# Altium PCB Zeropilot 2.0.PcbDoc (part 1 of 2) (continued)
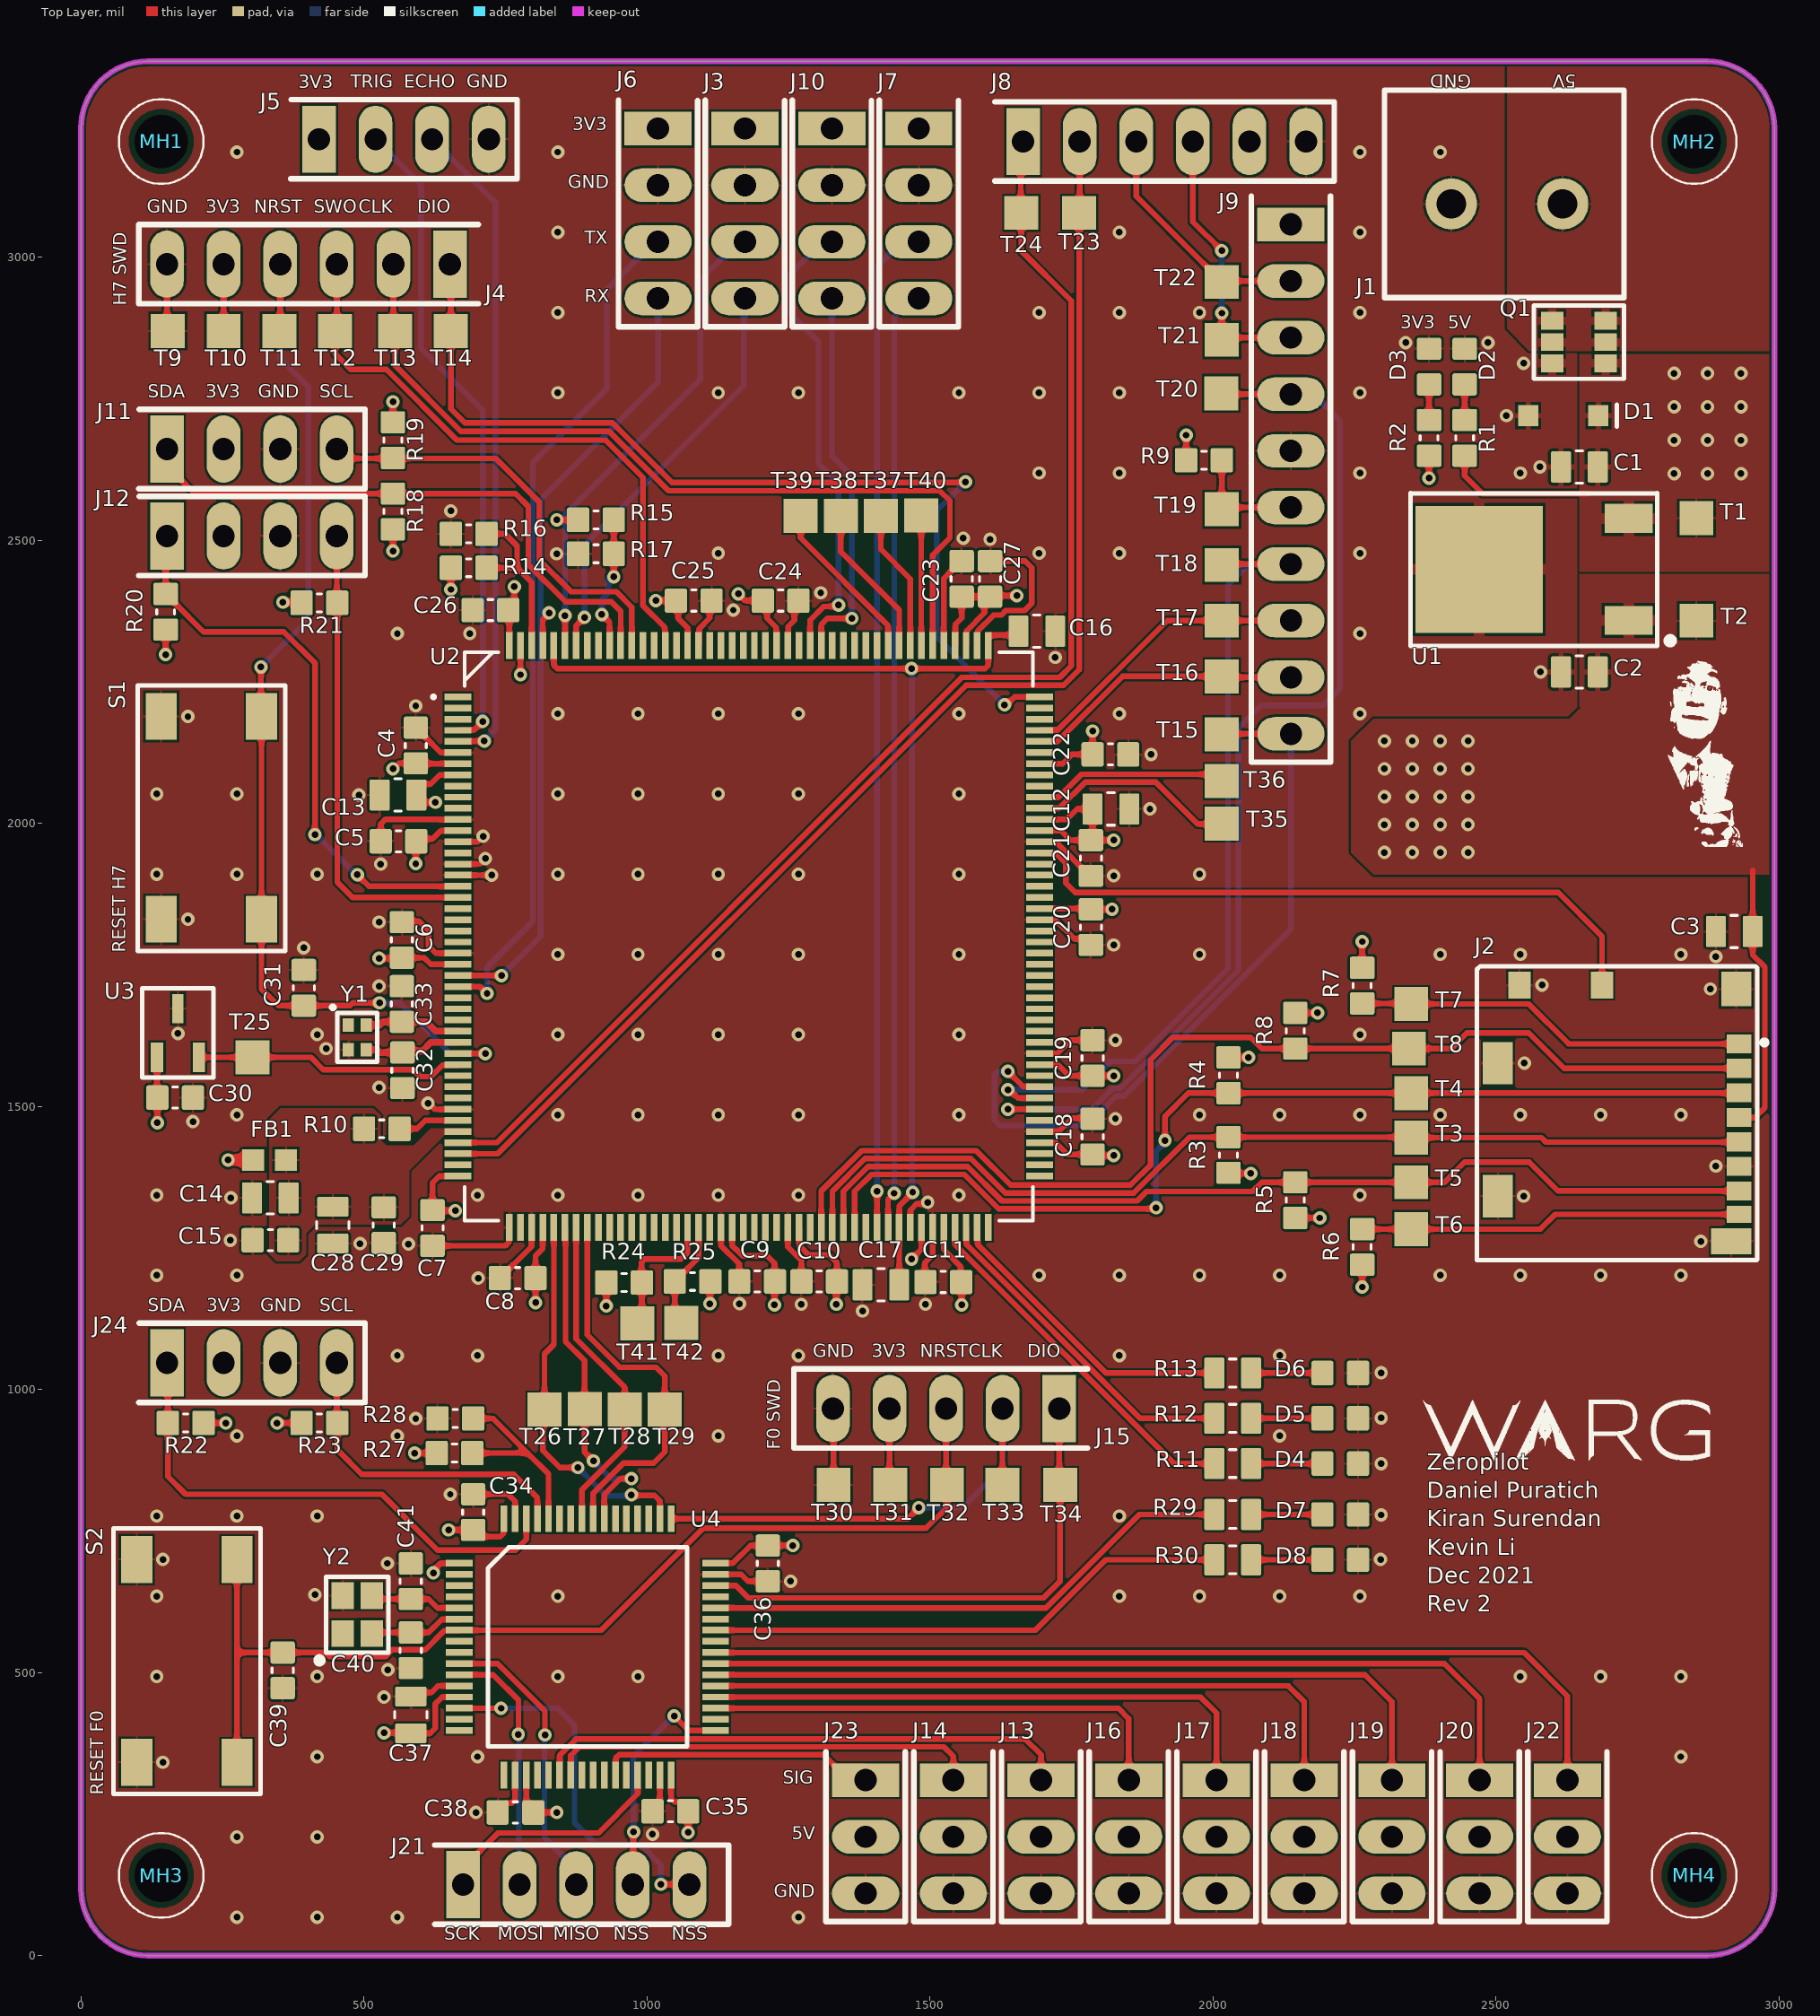
[diagram p0: Top Layer view]
## Design rules (kind name [scope] priority, off if disabled: settings)
BoardOutlineClearance [All] p1: gap=7.87 ignorepadtopadclearanceinfootprint=FALSE
Clearance [All] p1: gap=4 ignorepadtopadclearanceinfootprint=FALSE except(5: Arc-Via Track-Via SMDPad-Via THPad-Via Via-Via Via-Fill Via-Poly Via-Region Via-Text; 9.84: Arc-Hole Track-Hole SMDPad-Hole THPad-Hole Via-Hole Fill-Hole Poly-Hole Region-Hole Text-Hole)
ComponentClearance [All] p1: gap=4 collisioncheckmode=3 verticalgap=4 showdistances=TRUE
DiffPairsRouting [All] p1: maxlimit=4 minlimit=4 mostfreqgap=4 toplayer_minwidth=4 toplayer_maxwidth=71497.94 toplayer_prefwidth=4 midlayer1_minwidth=4 midlayer1_maxwidth=71497.94 midlayer1_prefwidth=4 midlayer2_minwidth=4 midlayer2_maxwidth=71497.94 midlayer2_prefwidth=4 bottomlayer_minwidth=4 bottomlayer_maxwidth=71497.94 bottomlayer_prefwidth=4 maxuncoupledlength=500
Height [All] p1: minheight=0 maxheight=71497.94 prefheight=500
HoleSize [All] p1: absolutevalues=TRUE maxlimit=248.03 minlimit=7.87 maxpercent=80.000 minpercent=20.000
HoleToHoleClearance [All] p1: gap=9.84 allowstackedmicrovias=FALSE
MinimumAnnularRing [All] p1: minimumring=3
MinimumSolderMaskSliver [All] p1: minsoldermaskwidth=0
PlaneClearance [All] p1: clearance=4
PlaneConnect PlaneConnectPowerPads [InPadClass('PowerPads')] p1: planeconnectstyle=Direct reliefexpansion=20 reliefentries=4 reliefconductorwidth=10 reliefairgap=10
PlaneConnect [All] p2: pad.planeconnectstyle=Relief pad.reliefexpansion=11.81 pad.reliefentries=4 pad.reliefconductorwidth=4 pad.reliefairgap=4 via.planeconnectstyle=Direct via.reliefexpansion=11.81 via.reliefentries=4 via.reliefconductorwidth=5 via.reliefairgap=5
PolygonConnect PolygonConnectPowerPads [All vs (InPadClass('PowerPads'))] p1: connectstyle=Direct reliefconductorwidth=10 reliefentries=4 polygonreliefangle="90 Angle" airgapwidth=10
PolygonConnect [All] p2: thpad.connectstyle=Relief thpad.reliefconductorwidth=4 thpad.reliefentries=4 thpad.polygonreliefangle="90 Angle" thpad.airgapwidth=4 smdpad.connectstyle=Relief smdpad.reliefconductorwidth=4 smdpad.reliefentries=4 smdpad.polygonreliefangle="90 Angle" smdpad.airgapwidth=4 via.connectstyle=Direct via.reliefconductorwidth=5 via.reliefentries=4 via.polygonreliefangle="90 Angle" via.airgapwidth=5
RoutingVias [All] p1: holewidth=7.87 width=17.72 viastyle="Through Hole" minholewidth=7.87 minwidth=17.72 maxholewidth=248.03 maxwidth=257.87
SilkToSilkClearance [All] p1: silktosilkclearance=0
SilkToSolderMaskClearance [IsPad] p1: minsilkscreentomaskgap=4 clearancetoexposedcopper=TRUE
SolderMaskExpansion [All] p1: expansion=2.95 istentingtop=FALSE
Width [All] p1: maxlimit=71497.94 minlimit=4 preferedwidth=4
20 further rules are at their usual default settings.

## Classes and differential pairs
component class microSD_Connector: C3 J2 R3 R4 R5 R6 R7 R8 T3 T4 T5 T6 T7 T8
component class LDO: C1 C2 D1 D2 D3 J1 Q1 R1 R2 T1 T2 U1
component class H7PartB: C32 C33 R14 R15 R16 R17 S1 Y1
component class H7PartA: C30 D4 D5 D6 R11 R12 R13 T25 T26 T27 T28 T29 U2 U3
component class H7Connectors: J3 J4 J5 J6 J7 J8 J9 J10 J11 R9 T9 T10 T11 T12 T13 T14 T15 T16 T17 T18 T19 T20 T21 T22 T23 T24
component class F0Connectors: J21 T30 T31 T32 T33 T34
component class F0Chip: C34 C35 C36 C37 C38 C39 C40 C41 D7 D8 R27 R28 R29 R30 S2 U4 Y2

## Components (designator, comment, footprint, x,y, rotation, side; value= is the part's Value field where it differs from the comment)
C1 "CAP_10uF_25V_0805" CAP0805 2647.64,2629.92 r0 top value=10uF
C2 "CAP_10uF_25V_0805" CAP0805 2647.64,2267.72 r0 top value=10uF
C3 "CAP_2.2uF_25V_0805" CAP0805 2921.26,1809.06 r0 top value=2.2uF
C4 "CAP_0.1uF_25V_0603" CAP0603 591.54,2137.8 r270 top value=0.1uF
C5 "CAP_0.1uF_25V_0603" CAP0603 561.02,1968.5 r0 top value=0.1uF
C6 "CAP_0.1uF_25V_0603" CAP0603 566.93,1794.29 r270 top value=0.1uF
C7 "CAP_0.1uF_25V_0603" CAP0603 621.06,1285.43 r90 top value=0.1uF
C8 "CAP_0.1uF_25V_0603" CAP0603 771.65,1196.85 r0 top value=0.1uF
C9 "CAP_0.1uF_25V_0603" CAP0603 1194.88,1190.94 r0 top value=0.1uF
C10 "CAP_0.1uF_25V_0603" CAP0603 1304.41,1190.83 r0 top value=0.1uF
C11 "CAP_0.1uF_25V_0603" CAP0603 1523.62,1189.96 r0 top value=0.1uF
C12 "CAP_1uF_25V_0805" CAP0805 1819.88,2025.59 r180 top value=1uF
C13 "CAP_10uF_25V_0805" CAP0805 560.04,2050.2 r0 top value=10uF
C14 "CAP_1uF_25V_0805" CAP0805 334.65,1338.58 r0 top value=1uF
C15 "CAP_0.1uF_25V_0603" CAP0603 334.65,1263.78 r0 top value=0.1uF
C16 "CAP_2.2uF_25V_0805" CAP0805 1688.98,2339.57 r180 top value=2.2uF
C17 "CAP_2.2uF_25V_0805" CAP0805 1413.39,1185.04 r0 top value=2.2uF
C18 "CAP_0.1uF_25V_0603" CAP0603 1787.4,1446.85 r270 top value=0.1uF
C19 "CAP_0.1uF_25V_0603" CAP0603 1787.4,1585.63 r270 top value=0.1uF
C20 "CAP_0.1uF_25V_0603" CAP0603 1784.45,1816.93 r90 top value=0.1uF
C21 "CAP_0.1uF_25V_0603" CAP0603 1784.45,1938.98 r90 top value=0.1uF
C22 "CAP_0.1uF_25V_0603" CAP0603 1818.9,2122.05 r180 top value=0.1uF
C23 "CAP_0.1uF_25V_0603" CAP0603 1556.1,2432.09 r270 top value=0.1uF
C24 "CAP_0.1uF_25V_0603" CAP0603 1236.22,2393.7 r180 top value=0.1uF
C25 "CAP_0.1uF_25V_0603" CAP0603 1082.68,2393.7 r180 top value=0.1uF
C26 "CAP_0.1uF_25V_0603" CAP0603 723.43,2376.97 r0 top value=0.1uF
C27 "CAP_4.7uF_25V_0603" CAP0603 1606.3,2432.09 r270 top value=4.7uF
C28 "CAP_1uF_25V_0805" CAP0805 445,1290.39 r90 top value=1uF
C29 "CAP_0.1uF_25V_0603" CAP0603 535,1290.39 r90 top value=0.1uF
C30 "CAP_0.1uF_25V_0603" CAP0603 166.34,1515.75 r180 top value=0.1uF
C31 "CAP_0.1uF_25V_0603" CAP0603 393.7,1709.65 r270 top value=0.1uF
C32 "CAP_20pF_50V_0603_MURATA" CAP0603 567.91,1563.98 r90 top value=20pF
C33 "CAP_20pF_50V_0603_MURATA" CAP0603 566.93,1681.1 r270 top value=20pF
C34 "CAP_0.01uF_25V_0603" CAP0603 692.91,783.46 r270 top value=0.01uF
C35 "CAP_0.1uF_25V_0603" CAP0603 1041.34,254.92 r0 top value=0.1uF
C36 "CAP_0.1uF_25V_0603" CAP0603 1213.58,692.91 r90 top value=0.1uF
C37 "CAP_1uF_25V_0805" CAP0805 582.68,425.2 r270 top value=1uF
C38 "CAP_4.7uF_25V_0603" CAP0603 767.72,252.95 r0 top value=4.7uF
C39 "CAP_0.1uF_25V_0603" CAP0603 356.3,503.94 r90 top value=0.1uF
C40 "CAP_20pF_50V_0603_MURATA" CAP0603 582.68,539.37 r90 top value=20pF
C41 "CAP_20pF_50V_0603_MURATA" CAP0603 582.68,661.42 r270 top value=20pF
D1 "DIO_ZENER_6.8V" DIO-SOD123 2619.09,2720.47 r0 top
D2 "LED_GREEN_2.1V_0603" LED0603 2444.88,2807.09 r90 top
D3 "LED_GREEN_2.1V_0603" LED0603 2381.89,2807.09 r90 top
D4 "LED_RED_2V_0603" LED0603 2225,869.21 r0 top
D5 "LED_RED_2V_0603" LED0603 2225,949.21 r0 top
D6 "LED_RED_2V_0603" LED0603 2225,1029.21 r0 top
D7 "LED_BLUE_2.8V_0603" LED0603 2225,779.21 r0 top
D8 "LED_BLUE_2.8V_0603" LED0603 2225,699.21 r0 top
FB1 "FERRITE_BEAD_600Ω_0603" BLM18AG601BH1D 333.27,1405.51 r180 top
J1 "CON_2X1_5MM_SCREWTERM_RA_TH" 1935161 2519.68,3094.49 r180 top locked
J2 "1040310811" MOLEX_104031-0811 2716.54,1488.19 r90 top
J3 "CON_4X1_2.54MM_MALE_TH_HDR" 0022032041 1173.23,3227.56 r270 top
J4 "CON_6X1_2.54MM_MALE_TH_HDR" 0022284060 401.97,2988.19 r180 top
J5 "CON_4X1_2.54MM_MALE_TH_HDR" 0022032041 420.47,3208.66 r0 top
J6 "CON_4X1_2.54MM_MALE_TH_HDR" 0022032041 1019.68,3227.56 r270 top
J7 "CON_4X1_2.54MM_MALE_TH_HDR" 0022032041 1480.32,3227.56 r270 top
J8 "CON_6X1_2.54MM_MALE_TH_HDR" 0022284060 1914.57,3204.72 r0 top
J9 "CON_10X1_2.54MM_MALE_TH_HDR" 0022032102 2137.8,3058.27 r270 top
J10 "CON_4X1_2.54MM_MALE_TH_HDR" 0022032041 1326.77,3227.56 r270 top
J11 "CON_4X1_2.54MM_MALE_TH_HDR" 0022032041 151.97,2661.42 r0 top
J12 "CON_4X1_2.54MM_MALE_TH_HDR" 0022032041 151.97,2507.87 r0 top
J13 "CON_3X1_2.54MM_MALE_TH_HDR" 0022102031 1696.38,310 r270 top
J14 "CON_3X1_2.54MM_MALE_TH_HDR" 0022102031 1541.38,310 r270 top
J15 "CON_5X1_2.54MM_MALE_TH_HDR" 0022032051 1728.54,966.54 r180 top
J16 "CON_3X1_2.54MM_MALE_TH_HDR" 0022102031 1851.38,310 r270 top
J17 "CON_3X1_2.54MM_MALE_TH_HDR" 0022102031 2006.38,310 r270 top
J18 "CON_3X1_2.54MM_MALE_TH_HDR" 0022102031 2161.38,310 r270 top
J19 "CON_3X1_2.54MM_MALE_TH_HDR" 0022102031 2316.38,310 r270 top
J20 "CON_3X1_2.54MM_MALE_TH_HDR" 0022102031 2471.38,310 r270 top
J21 "CON_5X1_2.54MM_MALE_TH_HDR" 0022032051 675,125.39 r0 top
J22 "CON_3X1_2.54MM_MALE_TH_HDR" 0022102031 2626.38,310 r270 top
J23 "CON_3X1_2.54MM_MALE_TH_HDR" 0022102031 1386.38,310 r270 top
J24 "CON_4X1_2.54MM_MALE_TH_HDR" 0022032041 151.97,1047.24 r0 top
MH1 "Mounting Hole Non-plated Diameter 2.40mm" MHNP_2.40MM 141.73,3204.72 r0 top
MH2 "Mounting Hole Non-plated Diameter 2.40mm" MHNP_2.40MM 2850.39,3204.72 r0 top
MH3 "Mounting Hole Non-plated Diameter 2.40mm" MHNP_2.40MM 141.73,141.73 r0 top
MH4 "Mounting Hole Non-plated Diameter 2.40mm" MHNP_2.40MM 2850.39,141.73 r0 top
Q1 "PMOS_20V_6.5A" TSM260P02CX6-RFG 2646.65,2850.39 r270 top
R1 "RES_5.9kΩ_0603_1%" RES0603 2444.88,2681.1 r270 top
R2 "RES_2.4kΩ_0603_1%" RES0603 2381.89,2681.1 r270 top value=2.4kΩ
R3 "RES_10kΩ_0603_1%" RES0603 2027.56,1414.37 r270 top value=10kΩ
R4 "RES_10kΩ_0603_1%" RES0603 2027.56,1555.12 r90 top value=10kΩ
R5 "RES_10kΩ_0603_1%" RES0603 2145.67,1334.65 r270 top value=10kΩ
R6 "RES_10kΩ_0603_1%" RES0603 2263.78,1251.97 r270 top value=10kΩ
R7 "RES_10kΩ_0603_1%" RES0603 2263.78,1713.58 r90 top value=10kΩ
R8 "RES_10kΩ_0603_1%" RES0603 2145.67,1633.86 r90 top value=10kΩ
R9 "RES_10kΩ_0603_1%" RES0603 1984.25,2641.73 r180 top value=10kΩ
R10 "RES_0Ω_0603" RES0603 531.5,1460.63 r180 top value=0Ω
R11 "RES_2.55kΩ_0805_1%" RES0805 2035,869.21 r180 top value=2.55kΩ
R12 "RES_2.55kΩ_0805_1%" RES0805 2035,949.21 r180 top value=2.55kΩ
R13 "RES_2.55kΩ_0805_1%" RES0805 2035,1029.21 r180 top value=2.55kΩ
R14 "RES_10kΩ_0603_1%" RES0603 685,2451.61 r180 top value=10kΩ
R15 "RES_10kΩ_0603_1%" RES0603 909.84,2536.38 r180 top value=10kΩ
R16 "RES_10kΩ_0603_1%" RES0603 685,2511.61 r0 top value=10kΩ
R17 "RES_10kΩ_0603_1%" RES0603 909.84,2476.38 r0 top value=10kΩ
R18 "RES_10kΩ_0603_1%" RES0603 551.18,2551.18 r270 top value=10kΩ
R19 "RES_10kΩ_0603_1%" RES0603 551.18,2677.17 r90 top value=10kΩ
R20 "RES_10kΩ_0603_1%" RES0603 149.61,2374.02 r270 top value=10kΩ
R21 "RES_10kΩ_0603_1%" RES0603 421.26,2389.76 r180 top value=10kΩ
R22 "RES_10kΩ_0603_1%" RES0603 185.04,940.94 r0 top value=10kΩ
R23 "RES_10kΩ_0603_1%" RES0603 421.26,940.94 r180 top value=10kΩ
R24 "RES_10kΩ_0603_1%" RES0603 959.65,1188.98 r180 top value=10kΩ
R25 "RES_10kΩ_0603_1%" RES0603 1080.71,1190.94 r0 top value=10kΩ
R27 "RES_10kΩ_0603_1%" RES0603 660,887.76 r180 top value=10kΩ
R28 "RES_10kΩ_0603_1%" RES0603 661.42,948.82 r0 top value=10kΩ
R29 "RES_1kΩ_0805_1%" RES0805 2035,779.21 r180 top value=1kΩ
R30 "RES_1kΩ_0805_1%" RES0805 2035,699.21 r180 top value=1kΩ
S1 "SWITCH_SPST_NO" TL3301NF160QG/TR 318.9,1830.71 r90 top
S2 "SWITCH_SPST_NO" TL3301NF160QG/TR 275.59,341.54 r90 top
T1 "TESTPOINT_TL" TESTPOINT_TL 2854.33,2539.37 r90 top
T2 "TESTPOINT_TL" TESTPOINT_TL 2854.33,2358.27 r90 top
T3 "TESTPOINT_TL" TESTPOINT_TL 2350.39,1444.88 r90 top
T4 "TESTPOINT_TL" TESTPOINT_TL 2350.39,1523.62 r90 top
T5 "TESTPOINT_TL" TESTPOINT_TL 2350.39,1366.14 r90 top
T6 "TESTPOINT_TL" TESTPOINT_TL 2350.39,1283.46 r90 top
T7 "TESTPOINT_TL" TESTPOINT_TL 2350.39,1681.1 r90 top
T8 "TESTPOINT_TL" TESTPOINT_TL 2346.46,1602.36 r90 top
T9 "TESTPOINT_TL" TESTPOINT_TL 153.54,2870.08 r90 top
T10 "TESTPOINT_TL" TESTPOINT_TL 251.97,2870.08 r180 top
T11 "TESTPOINT_TL" TESTPOINT_TL 350.39,2870.08 r0 top
T12 "TESTPOINT_TL" TESTPOINT_TL 448.82,2870.08 r180 top
T13 "TESTPOINT_TL" TESTPOINT_TL 555.12,2870.08 r180 top
T14 "TESTPOINT_TL" TESTPOINT_TL 653.54,2870.08 r180 top
T15 "TESTPOINT_TL" TESTPOINT_TL 2015.75,2157.48 r270 top
T16 "TESTPOINT_TL" TESTPOINT_TL 2015.75,2259.84 r270 top
T17 "TESTPOINT_TL" TESTPOINT_TL 2015.75,2358.27 r270 top
T18 "TESTPOINT_TL" TESTPOINT_TL 2015.75,2456.69 r270 top
T19 "TESTPOINT_TL" TESTPOINT_TL 2015.75,2555.12 r270 top
T20 "TESTPOINT_TL" TESTPOINT_TL 2014.76,2759.84 r270 top
T21 "TESTPOINT_TL" TESTPOINT_TL 2015.75,2854.33 r180 top
T22 "TESTPOINT_TL" TESTPOINT_TL 2015.75,2956.69 r270 top
T23 "TESTPOINT_TL" TESTPOINT_TL 1763.78,3078.74 r270 top
T24 "TESTPOINT_TL" TESTPOINT_TL 1661.42,3078.74 r0 top
T25 "TESTPOINT_TL" TESTPOINT_TL 303.15,1586.91 r90 top
T26 "TESTPOINT_TL" TESTPOINT_TL 818.9,964.57 r90 top
T27 "TESTPOINT_TL" TESTPOINT_TL 890,965.39 r90 top
T28 "TESTPOINT_TL" TESTPOINT_TL 960.63,964.57 r90 top
T29 "TESTPOINT_TL" TESTPOINT_TL 1031.5,964.57 r90 top
T30 "TESTPOINT_TL" TESTPOINT_TL 1329.72,831.69 r90 top
T31 "TESTPOINT_TL" TESTPOINT_TL 1430.12,831.69 r0 top
T32 "TESTPOINT_TL" TESTPOINT_TL 1530.08,831.69 r90 top
T33 "TESTPOINT_TL" TESTPOINT_TL 1628.08,831.69 r90 top
T34 "TESTPOINT_TL" TESTPOINT_TL 1730.08,831.69 r90 top
T35 "TESTPOINT_TL" TESTPOINT_TL 2015.75,2000 r90 top
T36 "TESTPOINT_TL" TESTPOINT_TL 2015.75,2074.8 r90 top
T37 "TESTPOINT_TL" TESTPOINT_TL 1413.39,2543.31 r90 top
T38 "TESTPOINT_TL" TESTPOINT_TL 1342.52,2543.31 r90 top
T39 "TESTPOINT_TL" TESTPOINT_TL 1271.65,2543.31 r90 top
T40 "TESTPOINT_TL" TESTPOINT_TL 1484.68,2544.02 r90 top
T41 "TESTPOINT_TL" TESTPOINT_TL 983.27,1117.13 r0 top
T42 "TESTPOINT_TL" TESTPOINT_TL 1060.53,1117.62 r90 top
U1 "LDO_3.3V_1A" LP38690DT-3.3/NOPB 2472.44,2448.82 r90 top
U2 "STM32H747IGT6" STM32H747IGT6 1180,1800.39 r0 top locked
U3 "TEMPSENSE_MCP9701T-E/TT" MCP9701T-E/TT 171.35,1629.91 r90 top
U4 "STM32F030RCT6" STM32F030RCT6 895,545.39 r270 top locked
Y1 "CRYSTAL_25MHz_15pF" XTAL-OSC-XO-CMOS 488.19,1622.05 r270 top
Y2 "CRYSTAL_8MHz_15pF" EC5625ETTTS 488.19,602.36 r0 top

## Footprints (in the part's own frame and the unit in brackets; to place one, negate y for a bottom-side part, rotate by r counter-clockwise, add the part's x,y. Pads: shape width x height; smd on the part's side, far side on the other; paste and mask are expansions set on the pad)
1935161 [mm] "TERM BLK 2POS SIDE ENTRY 5MM PCB"
  round 2.3 hole 1.325: 1(-2.5,0) 2(2.5,0)
  silkscreen extent -5.25,-5.1 5.5,4.2, body extent -5.07,-4.94 5.33,4.06, height 11.41
0022032041 [mm] "Male 4 Pin Hdr Unshrouded"
  rect 1.508x3.016 hole 1: 1(0,0)
  oval 1.508x3.016 hole 1: 2(2.54,0) 3(5.08,0) 4(7.62,0)
  silkscreen extent -1.27,-1.78 8.89,1.78, body extent -1.14,-1.17 8.76,1.17, height 10.8
0022032051 [mm] "5 Pin Male Header"
  rect 1.508x3.016 hole 1: 1(0,0)
  oval 1.508x3.016 hole 1: 2(2.54,0) 3(5.08,0) 4(7.62,0) 5(10.16,0)
  silkscreen extent -1.27,-1.78 11.91,1.78, body extent -1.14,-1.17 11.3,1.17, height 10.8
0022032102 [mm] "10 Pin Male Header"
  rect 1.508x3.016 hole 1: 1(0,0)
  oval 1.508x3.016 hole 1: 2(2.54,0) 3(5.08,0) 4(7.62,0) 5(10.16,0) 6(12.7,0) 7(15.24,0) 8(17.775,0.005) 9(20.319,0.005) 10(22.855,0.005)
  silkscreen extent -1.27,-1.78 24.13,1.78, body extent -1.14,-1.17 24,1.17, height 14.36
0022102031 [mm] "3 Pin Male Header"
  rect 1.508x3.016 hole 1: 1(0,0)
  oval 1.508x3.016 hole 1: 2(2.54,0) 3(5.08,0)
  silkscreen extent -1.27,-1.78 6.35,1.78, body extent -1.14,-1.17 6.22,1.17, height 10.8
0022284060 [mm] "6 Pin Male Header"
  rect 1.508x3.016 hole 1: 1(-6.35,0)
  oval 1.508x3.016 hole 1: 2(-3.81,0) 3(-1.27,0) 4(1.27,0) 5(3.81,0) 6(6.35,0)
  silkscreen extent -7.62,-1.78 7.62,1.78, body extent -7.62,-1.24 7.62,1.24, height 8.39
BLM18AG601BH1D [mm]
  rect 1x0.97 smd: 1(-0.735,0) 2(0.735,0)
  body extent -0.8,-0.47 0.8,0.48, height 0.81
CAP0603 [mm] "Ceramic Capacitor 0603"
  rrect20% 1x1.1 smd: 1(-0.8,0) 2(0.8,0)
  silkscreen extent -0.1,-0.48 0.1,0.48, body extent -0.87,-0.48 0.88,0.48, height 0.87
CAP0805 [mm] "Ceramic Capacitor 0805"
  rrect15% 0.9x1.4 smd: 1(-0.825,0) 2(0.825,0)
  silkscreen extent -0.15,-0.72 0.15,0.72, body extent -1.1,-0.73 1.1,0.73, height 1.39
DIO-SOD123 [mm]
  rect 0.9x0.95 smd: 1(-1.575,0) 2(1.575,0)
  silkscreen extent 2.4,-0.5 2.4,0.5, body extent -1.92,-0.84 1.93,0.86, height 1.46
EC5625ETTTS [mm] "Footprint for EC5625ETTTS-8.000M TR"
  rect 1x1.2 smd: 1(-0.65,-0.85) 2(-0.65,0.85) 3(0.65,0.85) 4(0.65,-0.85)
  silkscreen extent -1.75,-2.1 1.4,1.7, body extent -1,-1.25 1,1.25, height 1
LED0603 [mm] "Generic LED in 0603 package"
  rrect20% 1x1.1 smd: 1(-0.8,0) 2(0.8,0)
  body extent -0.81,-0.4 0.81,0.4, height 0.6
LP38690DT-3.3/NOPB [mm]
  rect 1.3x2.15 smd paste+0 mask+0: 1(-2.285,-6.665) 3(2.285,-6.665)
  rect 5.7x5.7 smd paste+0 mask+0: 2(0,0.051)
  silkscreen extent -3.43,-8.67 3.43,3.13, body extent -3.29,-7.15 3.29,2.75, height 2.3
MCP9701T-E/TT [mil]
  rect 52x22 smd: 1(-43,37) 2(-43,-37)
  rect 52x20 smd: 3(43,0)
  silkscreen extent -79,-63 79,63, body extent -49,-57 49,57, height 45
MHNP_2.40MM [mm] "Mounting Hole Non-plated Diameter 2.40mm"
  round 0 hole 2.4: 1(0,0)
MOLEX_104031-0811 [mm]
  rect 0.85x1.1 smd: 1(3.113,-5.412) 2(2.013,-5.412) 3(0.913,-5.412) 4(-0.188,-5.412) 5(-1.288,-5.412) 6(-2.387,-5.412) 7(-3.487,-5.412)
  rect 0.75x1.1 smd: 8(-4.537,-5.412)
  rect 1.2x1 smd: 9(5.748,0.738) 10(5.748,4.437)
  rect 1.55x1.35 smd: G1(5.573,-5.288)
  rect 1.17x1.8 smd: G2(-5.747,-5.062)
  rect 1.9x1.35 smd: G3(-3.722,5.413) G4(2.248,5.413)
  silkscreen extent -6.6,-6.65 6.6,6.35, body extent -5.97,-5.55 5.98,5.85, height 1.46
RES0603 [mm] "SMT Resistor 0603"
  rrect15% 1x1.1 smd: 1(-0.8,0) 2(0.8,0)
  silkscreen extent -0.1,-0.4 0.1,0.4, body extent -0.8,-0.4 0.8,0.4, height 0.46
RES0805 [mm] "SMT Resistor 0805"
  rrect15% 0.9x1.4 smd: 1(-0.825,0) 2(0.825,0)
  silkscreen extent -0.15,-0.63 0.15,0.63, body extent -1,-0.62 1,0.63, height 0.61
STM32F030RCT6 [mm]
  rect 0.3x1.2 smd: 1(-3.75,-5.75) 2(-3.25,-5.75) 3(-2.75,-5.75) 4(-2.25,-5.75) 5(-1.75,-5.75) 6(-1.25,-5.75) 7(-0.75,-5.75) 8(-0.25,-5.75) 9(0.25,-5.75) 10(0.75,-5.75) 11(1.25,-5.75) 12(1.75,-5.75) 13(2.25,-5.75) 14(2.75,-5.75) 15(3.25,-5.75) 16(3.75,-5.75) 33(3.75,5.75) 34(3.25,5.75) 35(2.75,5.75) 36(2.25,5.75) 37(1.75,5.75) 38(1.25,5.75) 39(0.75,5.75) 40(0.25,5.75) 41(-0.25,5.75) 42(-0.75,5.75) 43(-1.25,5.75) 44(-1.75,5.75) 45(-2.25,5.75) 46(-2.75,5.75) 47(-3.25,5.75) 48(-3.75,5.75)
  rect 1.2x0.3 smd: 17(5.75,-3.75) 18(5.75,-3.25) 19(5.75,-2.75) 20(5.75,-2.25) 21(5.75,-1.75) 22(5.75,-1.25) 23(5.75,-0.75) 24(5.75,-0.25) 25(5.75,0.25) 26(5.75,0.75) 27(5.75,1.25) 28(5.75,1.75) 29(5.75,2.25) 30(5.75,2.75) 31(5.75,3.25) 32(5.75,3.75) 49(-5.75,3.75) 50(-5.75,3.25) 51(-5.75,2.75) 52(-5.75,2.25) 53(-5.75,1.75) 54(-5.75,1.25) 55(-5.75,0.75) 56(-5.75,0.25) 57(-5.75,-0.25) 58(-5.75,-0.75) 59(-5.75,-1.25) 60(-5.75,-1.75) 61(-5.75,-2.25) 62(-5.75,-2.75) 63(-5.75,-3.25) 64(-5.75,-3.75)
  silkscreen extent -4.46,-4.46 4.46,4.46, body extent -6,-6 6,6, height 1.6
STM32H747IGT6 [mm]
  rect 1.2x0.3 smd: 1(-13.05,10.75) 2(-13.05,10.25) 3(-13.05,9.75) 4(-13.05,9.25) 5(-13.05,8.75) 6(-13.05,8.25) 7(-13.05,7.75) 8(-13.05,7.25) 9(-13.05,6.75) 10(-13.05,6.25) 11(-13.05,5.75) 12(-13.05,5.25) 13(-13.05,4.75) 14(-13.05,4.25) 15(-13.05,3.75) 16(-13.05,3.25) 17(-13.05,2.75) 18(-13.05,2.25) 19(-13.05,1.75) 20(-13.05,1.25) 21(-13.05,0.75) 22(-13.05,0.25) 23(-13.05,-0.25) 24(-13.05,-0.75) 25(-13.05,-1.25) 26(-13.05,-1.75) 27(-13.05,-2.25) 28(-13.05,-2.75) 29(-13.05,-3.25) 30(-13.05,-3.75) 31(-13.05,-4.25) 32(-13.05,-4.75) 33(-13.05,-5.25) 34(-13.05,-5.75) 35(-13.05,-6.25) 36(-13.05,-6.75) 37(-13.05,-7.25) 38(-13.05,-7.75) 39(-13.05,-8.25) 40(-13.05,-8.75) 41(-13.05,-9.25) 42(-13.05,-9.75) 43(-13.05,-10.25) 44(-13.05,-10.75) 89(13.05,-10.75) 90(13.05,-10.25) 91(13.05,-9.75) 92(13.05,-9.25) 93(13.05,-8.75) 94(13.05,-8.25) 95(13.05,-7.75) 96(13.05,-7.25) 97(13.05,-6.75) 98(13.05,-6.25) 99(13.05,-5.75) 100(13.05,-5.25) 101(13.05,-4.75) 102(13.05,-4.25) 103(13.05,-3.75) 104(13.05,-3.25) 105(13.05,-2.75) 106(13.05,-2.25) 107(13.05,-1.75) 108(13.05,-1.25) 109(13.05,-0.75) 110(13.05,-0.25) 111(13.05,0.25) 112(13.05,0.75) 113(13.05,1.25) 114(13.05,1.75) 115(13.05,2.25) 116(13.05,2.75) 117(13.05,3.25) 118(13.05,3.75) 119(13.05,4.25) 120(13.05,4.75) 121(13.05,5.25) 122(13.05,5.75) 123(13.05,6.25) 124(13.05,6.75) 125(13.05,7.25) 126(13.05,7.75) 127(13.05,8.25) 128(13.05,8.75) 129(13.05,9.25) 130(13.05,9.75) 131(13.05,10.25) 132(13.05,10.75)
  rect 0.3x1.2 smd: 45(-10.75,-13.05) 46(-10.25,-13.05) 47(-9.75,-13.05) 48(-9.25,-13.05) 49(-8.75,-13.05) 50(-8.25,-13.05) 51(-7.75,-13.05) 52(-7.25,-13.05) 53(-6.75,-13.05) 54(-6.25,-13.05) 55(-5.75,-13.05) 56(-5.25,-13.05) 57(-4.75,-13.05) 58(-4.25,-13.05) 59(-3.75,-13.05) 60(-3.25,-13.05) 61(-2.75,-13.05) 62(-2.25,-13.05) 63(-1.75,-13.05) 64(-1.25,-13.05) 65(-0.75,-13.05) 66(-0.25,-13.05) 67(0.25,-13.05) 68(0.75,-13.05) 69(1.25,-13.05) 70(1.75,-13.05) 71(2.25,-13.05) 72(2.75,-13.05) 73(3.25,-13.05) 74(3.75,-13.05) 75(4.25,-13.05) 76(4.75,-13.05) 77(5.25,-13.05) 78(5.75,-13.05) 79(6.25,-13.05) 80(6.75,-13.05) 81(7.25,-13.05) 82(7.75,-13.05) 83(8.25,-13.05) 84(8.75,-13.05) 85(9.25,-13.05) 86(9.75,-13.05) 87(10.25,-13.05) 88(10.75,-13.05) 133(10.75,13.05) 134(10.25,13.05) 135(9.75,13.05) 136(9.25,13.05) 137(8.75,13.05) 138(8.25,13.05) 139(7.75,13.05) 140(7.25,13.05) 141(6.75,13.05) 142(6.25,13.05) 143(5.75,13.05) 144(5.25,13.05) 145(4.75,13.05) 146(4.25,13.05) 147(3.75,13.05) 148(3.25,13.05) 149(2.75,13.05) 150(2.25,13.05) 151(1.75,13.05) 152(1.25,13.05) 153(0.75,13.05) 154(0.25,13.05) 155(-0.25,13.05) 156(-0.75,13.05) 157(-1.25,13.05) 158(-1.75,13.05) 159(-2.25,13.05) 160(-2.75,13.05) 161(-3.25,13.05) 162(-3.75,13.05) 163(-4.25,13.05) 164(-4.75,13.05) 165(-5.25,13.05) 166(-5.75,13.05) 167(-6.25,13.05) 168(-6.75,13.05) 169(-7.25,13.05) 170(-7.75,13.05) 171(-8.25,13.05) 172(-8.75,13.05) 173(-9.25,13.05) 174(-9.75,13.05) 175(-10.25,13.05) 176(-10.75,13.05)
  silkscreen extent -14.23,-12.75 12.75,12.75, body extent -13.3,-13.3 13.3,13.3, height 1.65
TESTPOINT_TL [mil] "Test Point on the Top Layer of the PCB"
  rect 60x60 smd: 1(0,0)
TL3301NF160QG/TR [mm]
  rect 2.1x1.4 smd: 1(0,0) 2(9.1,0) 3(0,4.5) 4(9.1,4.5)
  silkscreen extent -1.42,-1.06 10.5,5.55, body extent -0.5,-0.7 9.5,5.3, height 4.41
TSM260P02CX6-RFG [mm]
  rect 0.8x1 smd mask+0.051: D(-0.95,1.2) D(-0.95,-1.2) D(0,1.2) D(0,-1.2) G(0.95,-1.2) S(0.95,1.2)
  silkscreen extent -1.65,-2.03 1.65,2.02, body extent -1.4,-1.23 1.4,1.2, height 1.09
XTAL-OSC-XO-CMOS [mm] "Footprint for XTAL OSC XO 25.0000MHZ CMOS SMD"
  rect 0.6x0.5 smd: 1(-0.55,-0.4) 2(0.55,-0.4) 3(0.55,0.4) 4(-0.55,0.4)
  silkscreen extent -1.4,-1.15 1.1,0.9, body extent -0.8,-0.6 0.8,0.6, height 0.61

## Part data
C1 C2 C13: library part CAP_10uF_25V_0805_MURATA, "CAP CER 10UF 25V X5R ±10% 0805", Manufacturer 1="Murata Electronics", Manufacturer Part Number 1=GRM21BR61E106KA73L, Package=0805, Supplier Part Number 1=490-5523-1-ND, Temperature Coefficient=X5R, Tolerance=±10%, Voltage=25V, Mounting Type="Surface Mount", Supplier 1=Digi-Key
C3 C16 C17: library part CAP_2.2uF_25V_0805_MURATA, "CAP CER 2.2UF 25V X7R ±10% 0805", Manufacturer 1="Murata Electronics", Manufacturer Part Number 1=GRM21BR71E225KE11L, Package=0805, Supplier Part Number 1=490-14467-1-ND, Temperature Coefficient=X7R, Tolerance=±10%, Voltage=25V, Mounting Type="Surface Mount", Supplier 1=Digi-Key
C4 C5 C6 C7 C8 C9 C10 C11 C15 C18 C19 C20 C21 C22 C23 C24 C25 C26 C29 C30 C31 C35 C36 C39: library part CAP_0.1uF_25V_0603_MURATA, "CAP CER 0.1UF 25V X7R ±10% 0603", Manufacturer 1="Murata Electronics", Manufacturer Part Number 1=GCM188R71E104KA57D, Package=0603, Supplier Part Number 1=490-6051-1-ND, Temperature Coefficient=X7R, Tolerance=±10%, Voltage=25V, Mounting Type="Surface Mount", Supplier 1=Digi-Key
C12 C14 C28 C37: library part CAP_1uF_25V_0805_MURATA, "CAP CER 1UF 25V X7R ±10% 0805", Manufacturer 1="Murata Electronics", Manufacturer Part Number 1=GCM21BR71E105KA56L, Package=0805, Supplier Part Number 1=490-4785-1-ND, Temperature Coefficient=X7R, Tolerance=±10%, Voltage=25V, Mounting Type="Surface Mount", Supplier 1=Digi-Key
C27 C38: library part CAP_4.7uF_25V_0603_MURATA, "CAP CER 4.7UF 25V X6S ±10% 0603", Manufacturer 1="Murata Electronics", Manufacturer Part Number 1=GRM188C81E475KE11D, Package=0603, Supplier Part Number 1=490-7199-1-ND, Temperature Coefficient=X6S, Tolerance=±10%, Voltage=25V, Mounting Type="Surface Mount", Supplier 1=Digi-Key
C32 C33 C40 C41: "20 pF ±5% 50V Ceramic Capacitor C0G, NP0 0603 (1608 Metric)", Manufacturer 1="Murata Electronics", Manufacturer Part Number 1=GRM1885C1H200JA01D, Package=0603, Supplier Part Number 1=490-1410-1-ND, Temperature Coefficient=C0G/NP0, Voltage Rating=50v, Mounting Type="Surface Mount", Supplier 1=Digi-Key
C34: library part CAP_0.01uF_25V_0603_MURATA, "CAP CER 10000PF 25V C0G/NP0 0603. 10000 pF ±5% 25V Ceramic Capacitor C0G, NP0 0603 (1608 Metric). Note that 10000pF=10nF=0.01uF.", Manufacturer 1="Murata Electronics", Manufacturer Part Number 1=GRT1885C1E103JA02J, Package=0603, Supplier Part Number 1=490-GRT1885C1E103JA02JCT-ND, Temperature Coefficient=C0G/NP0, Voltage Rating=25V, Mounting Type="Surface Mount", Supplier 1=Digi-Key
D1: "ZENER 6.8V 500mW SOD123", Forward Voltage="0.9V @ 10mA", Manufacturer 1="Diodes Incorporated", Manufacturer Part Number 1=DDZ9692-7, Maximum Power=500mW, Package=SOD-123, Reverse Leakage Current="500nA @ 5.1V", Supplier Part Number 1=DDZ9692DICT-ND, Zener Voltage=6.8V, Mounting Type="Surface Mount", Supplier 1=Digi-Key
D2 D3: "LED GREEN 2.1V 0603", Color=Green, Forward Voltage=2.1V, Manufacturer 1=SunLED, Manufacturer Part Number 1=XZVG53W-8, Package=0603, Supplier Part Number 1=1497-1215-1-ND, Mounting Type="Surface Mount", Supplier 1=Digi-Key
D4 D5 D6: "LED RED 2V 0603", Color=Red, Forward Voltage=2V, Manufacturer 1="Lite-On Inc.", Manufacturer Part Number 1=LTST-C194KRKT, Package=0603, Supplier Part Number 1=160-1835-1-ND, Mounting Type="Surface Mount", Supplier 1=Digi-Key
D7 D8: "LED BLUE 2.8V 0603", Color=Blue, Forward Voltage=2.8V, Manufacturer 1="Lite-On Inc.", Manufacturer Part Number 1=LTST-C191TBKT-5A, Package=0603, Supplier Part Number 1=160-2212-1-ND, Mounting Type="Surface Mount", Supplier 1=Digi-Key
FB1: "FERRITE BEAD 600 OHM 0603 1 LN", Current Rating (Max)=500mA, DC Resistance=380mΩ, Manufacturer 1="Murata Electronics", Manufacturer Part Number 1=BLM18AG601BH1D, Package=0603, Supplier Part Number 1=490-14039-1-ND, Impedance="600Ω @ 100MHz", Mounting Type="Surface Mount", Supplier 1=Digi-Key
J1: "CONN SCREW TERMINAL 2X1 5MM RA TH", Manufacturer 1="Phoenix Contact", Manufacturer Part Number 1=1935161, Supplier Part Number 1=277-1667-ND, Mounting Type="Through Hole", Pitch=5mm, Supplier 1=Digi-Key
J2: library part uSD_CONN_1040310811, "CONN MICRO SD CARD PUSH-PULL R/A", Manufacturer 1=Molex, Supplier Part Number 1=WM6357CT-ND, Card Type=microSD, Connector Type=Connector, Insertion and Removal Method="Push In, Pull Out", Manufacturer Part Number 1=1040310811, Mounting Type="Surface Mount", Number of Positions="10 (8 + 2)", Supplier 1=Digi-Key
J3 J5 J6 J7 J10 J11 J12 J24: "CONN HEADER 4X1 2.54MM MALE VERT TH", Manufacturer 1=Molex, Manufacturer Part Number 1=0022032041, Supplier Part Number 1=WM4002-ND, Connector Type=Header, Contact Type="Male Pin", Mounting Type="Through Hole", Number of Positions=4, Number of Rows=1, Pitch=2.54mm, Supplier 1=Digi-Key
J4 J8: "CONN HEADER 6X1 2.54MM MALE VERT TH", Manufacturer 1=Molex, Manufacturer Part Number 1=0022032061, Supplier Part Number 1=WM4004-ND, Connector Type=Header, Contact Type="Male Pin", Mounting Type="Through Hole", Number of Positions=6, Number of Rows=1, Pitch=2.54mm, Supplier 1=Digi-Key
J9: "CONN HEADER 10X1 2.54MM MALE VERT TH", Manufacturer 1=Molex, Manufacturer Part Number 1=0022032102, Supplier Part Number 1=WM19455-ND, Connector Type=Header, Contact Type="Male Pin", Number of Positions=10, Number of Rows=1, Pitch=2.54mm, Supplier 1=Digi-Key
J13 J14 J16 J17 J18 J19 J20 J22 J23: library part CON_3X1_2.54MM_MALE_VERT_TH_HDR, "CONN HEADER 3X1 2.54MM MALE VERT TH", Manufacturer 1=Molex, Manufacturer Part Number 1=0022102031, Supplier Part Number 1=WM2723-ND, Connector Type=Header, Contact Type="Male Pin", Mounting Type="Through Hole", Number of Positions=3, Number of Rows=1, Pitch=2.54mm, Supplier 1=Digi-Key
J15 J21: "CONN HEADER 5X1 2.54MM MALE VERT TH", Manufacturer 1=Molex, Manufacturer Part Number 1=0022032051, Supplier Part Number 1=WM4003-ND, Connector Type=Header, Contact Type="Male Pin", Mounting Type="Through Hole", Number of Positions=5, Number of Rows=1, Pitch=2.54mm, Supplier 1=Digi-Key
MH1 MH2 MH3 MH4: library part MHNP_2.4MM, Diameter=2.40mm
Q1: "P-Channel 20 V 6.5A (Tc) 1.56W (Tc) Surface Mount SOT-26", Manufacturer 1="Taiwan Semiconductor Corporation", Manufacturer Part Number 1="TSM260P02CX6 RFG", Supplier Part Number 1=TSM260P02CX6RFGCT-ND, Supplier 1=Digi-Key
R1: "RES 5.9K OHM ±1% 1/10W 0603", Manufacturer 1=Yageo, Manufacturer Part Number 1=RC0603FR-075K9L, Package=0603, Power Rating=1/10W, Resistance=5.9kΩ, Supplier Part Number 1=311-5.90KHRCT-ND, Tolerance=±1%, Mounting Type="Surface Mount", Supplier 1=Digi-Key
R2: "RES 2.4K OHM ±1% 1/10W 0603", Manufacturer 1=Yageo, Manufacturer Part Number 1=RC0603FR-072K4L, Package=0603, Power Rating=1/10W, Supplier Part Number 1=311-2.40KHRCT-ND, Tolerance=±1%, Mounting Type="Surface Mount", Supplier 1=Digi-Key
R3 R4 R5 R6 R7 R8 R9 R14 R15 R16 R17 R18 R19 R20 R21 R22 R23 R24 R25 R27 R28: "RES 10K OHM ±1% 1/10W 0603", Manufacturer 1=Yageo, Manufacturer Part Number 1=RC0603FR-0710KL, Package=0603, Power Rating=1/10W, Supplier Part Number 1=311-10.0KHRCT-ND, Tolerance=±1%, Mounting Type="Surface Mount", Supplier 1=Digi-Key
R10: "RES SMD 0 OHM JUMPER 1/10W 0603", Manufacturer 1="Vishay Dale", Manufacturer Part Number 1=CRCW06030000Z0EAC, Package=0603, Power Rating=1/10W, Supplier Part Number 1=541-4012-1-ND, Mounting Type="Surface Mount", Supplier 1=Digi-Key
R11 R12 R13: "RES 2.55K OHM ±1% 1/8W 0805", Manufacturer 1=Yageo, Manufacturer Part Number 1=RC0805FR-072K55L, Package=0805, Power Rating=1/8W, Supplier Part Number 1=311-2.55KCRCT-ND, Tolerance=±1%, Mounting Type="Surface Mount", Supplier 1=Digi-Key
R29 R30: "RES SMD 1K OHM ±1% 1/8W 0805", Manufacturer 1=Yageo, Manufacturer Part Number 1=AC0805FR-071KL, Package=0805, Power Rating=1/8W, Supplier Part Number 1=YAG3703CT-ND, Tolerance=±1%, Mounting Type="Surface Mount", Supplier 1=Digi-Key
S1 S2: "SWITCH TACTILE SPST-NO 0.05A 12V", Manufacturer 1=E-Switch, Manufacturer Part Number 1=TL3301NF160QG/TR, Supplier Part Number 1=EG1867CT-ND, Circuit=SPST-NO, Mounting Type="Surface Mount", Supplier 1=Digi-Key
T1 T2 T3 T4 T5 T6 T7 T8 T9 T10 T11 T12 T13 T14 T15 T16 T17 T18 T19 T20 T21 T22 T23 T24 T25 T26 T27 T28 T29 T30 T31 T32 T33 T34 T35 T36 T37 T38 T39 T40 T41 T42: "TESTPOINT TOP LAYER"
U1: "IC REG LINEAR 3.3V 1A TO252-3", Manufacturer 1="Texas Instruments", Manufacturer Part Number 1=LP38690DT-3.3/NOPB, Maximum Current Output=1A, Output Voltage (Fixed)=3.3V, Package="3-Lead TO-252", Quiescent Current=55µA, Supplier Part Number 1=LP38690DT-3.3/NOPB-ND, Voltage Dropout="1V @ 1A", Accuracy="2.5% @ 25°C", PSRR="55dB @ 120Hz", Supplier 1=Digi-Key
U2: "IC MCU 32BIT 1MB FLASH 176LQFP", Manufacturer 1=STMicroelectronics, Supplier Part Number 1=511-STM32H747IGT6, Manufacturer Part Number 1=STM32H747IGT6, Supplier 1=Mouser
U3: "SENSOR ANALOG -10C-125C SOT23-3", Manufacturer 1="Microchip Technology", Manufacturer Part Number 1=MCP9701T-E/TT, Package=SOT-23-3, Supplier Part Number 1=MCP9701T-E/TTCT-ND, Supply Voltage="3.1V ~ 5.5V", Accuracy="±4°C (-4°C, +6°C)", Resolution=19.5mV/°C, Supplier 1=Digi-Key
U4: "ARM® Cortex®-M0 series Microcontroller IC 32-Bit 48MHz 256KB (256K x 8) FLASH 64-LQFP (10x10)", Manufacturer 1=STMicroelectronics, Supplier Part Number 1=497-17336-ND, Manufacturer Part Number 1=STM32F030RCT6, Supplier 1=Digi-key, Supplier Price 1=1=5.64, Supplier Stock 1=0
Y1: "25 MHz XO (Standard) CMOS Oscillator 3.3V Enable/Disable 4-SMD, No Lead.", Frequency=25MHz, Frequency Stability=+-30ppm, Load Capactitance=15pF, Manufacturer 1="Abracon LLC", Manufacturer Part Number 1=ASCO-25.000MHZ-EK-T3, Supplier Part Number 1=535-12075-1-ND, Voltage=3.3V, Supplier 1=Digi-Key
Y2: "8 MHz XO (Standard) LVCMOS Oscillator 3.3V Enable/Disable 4-SMD, No Lead. OSC XO 8MHZ 3.3V CMOS SMD", Frequency=8MHz, Frequency Stability=+-25ppm, Load Capacitance=15pF, Manufacturer 1=Ecliptek, Manufacturer Part Number 1="EC5625ETTTS-8.000M TR", Supplier Part Number 1=2773-EC5625ETTTS-8.000MCT-ND, Voltage=3V3, Supplier 1=Digi-Key

## Via types
v1: diameter 23.62, hole 11.81, Top Layer to Bottom Layer, tented both sides, 271 vias
v2: diameter 23.62, hole 11.81, Top Layer to Layer 1, tented both sides, 25 vias
v3: diameter 23.62, hole 11.81, Top Layer to Layer 2, tented both sides, 22 vias
v4: diameter 23.62, hole 11.81, Top Layer to Bottom Layer, 5 vias

## Nets (pads, with @x,y where several pads share a name; then routed paths per layer and width w, separated by ;. In a path a pad name is that pad's centre, name@x,y a point inside that pad or via, vN(x,y) a via of type N, cw(c..) or ccw(c..) an arc to the next point about the centre after c; other vN are vias at no path point)
3V3: C2.2 C3.2 C4.2 C5.2 C6.2 C7.2 C8.2 C9.2 C10.2 C11.2 C12.2 C13.2 C18.2 C19.2 C20.2 C21.2 C22.2 C23.2 C24.2 C25.2 C26.2 C27.2 C30.2 C34.2 C35.2 C36.2 C37.2 C38.2 FB1.2 J2.4 J3.1 J4.5 J5.1 J6.1 J7.1 J8.5 J9.1 J10.1 J11.2 J12.2 J15.4 J24.2 R2.2 R3.2 R4.2 R5.2 R6.2 R7.2 R8.2 R9.2 R14.2 R15.2 R18.2 R19.2 R20.2 R21.2 R22.2 R23.2 R24.2 R25.2 R27.2 T2.1 T10.1 T31.1 U1.1 U2.7 U2.8 U2.13 U2.25 U2.44 U2.48 U2.65 U2.71 U2.82 U2.84 U2.92 U2.99 U2.113 U2.120 U2.121 U2.126 U2.135 U2.136 U2.152 U2.160 U2.175 U2.176 U3.1 U4.1 U4.13 U4.19 U4.32 U4.48 U4.64 | length 5404.8
  Top Layer w10: U3.1@134.35,1586.91 134.35,1516.24 C30.2@134.84,1515.75 ; v1(134.84,1471.46) C30.2@134.84,1513.78 ; v3(149.61,2298.23) R20.2@149.61,2342.52 ; R22.2@216.54,940.94 v3(255.91,940.94) ; T10.1@251.97,2870.08 249.61,2872.44 251.97,2874.8 J4.5@251.97,2988.19 ; v3(346.46,940.94) R23.2@389.76,940.94 ; v3(356.76,2390.76) 388.76,2390.76 R21.2@389.76,2389.76 ; v1(526.57,1761.81) 565.94,1761.81 C6.2@566.93,1762.8 606.3,1762.8 617.91,1751.18 U2.25@666.22,1751.18 ; v1(535.43,393.7) 581.69,393.7 C37.2@582.68,392.72 617.13,392.72 625.98,401.57 625.98,444.88 637.8,456.69 668.5,456.69 U4.13@668.62,456.81 ; v3(551.18,2481.3) R18.2@551.18,2519.68 ; R19.2@551.18,2708.66 v3(551.18,2745.08) ; v1@551.34,2096.62 v1(551.18,2096.46) 552.17,2096.46 562.01,2106.3 C4.2@591.54,2106.3 592.17,2105.67 C4.2@610.87,2105.67 ; C5.2@578.38,1970.11 C5.2@588.58,1980.31 ; C13.2@588.58,2070.87 C13.2@589.37,2071.65 ; v3(589.57,887.8) 626.57,887.8 R27.2@627.56,886.81 ; v1(591.54,1929.13) 591.54,1967.52 C5.2@592.52,1968.5 ; C13.2@592.52,2050.2 592.52,2050.12 605.24,2037.4 v1(626.09,2037.4) ; C13.2@593.5,2058.07 605.14,2069.71 617.94,2069.71 634.06,2085.83 U2.8@666.22,2085.83 ; C5.2@594.49,1968.5 598.71,1972.72 621.35,1972.72 635.75,1987.13 665.95,1987.13 U2.13@666.22,1987.4 ; C4.2@599.41,2117.13 C4.2@610.87,2105.67 ; C4.2@611.02,2105.51 C4.2@610.87,2105.67 ; v3(622.64,676.1) 625.25,678.71 625.25,683.55 634.67,692.97 U4.1@668.62,693.03 U4.1@668.62,693.03 ; v1(649.61,751.97) C34.2@692.91,751.97 704.72,740.16 740.6,740.16 746.46,746.02 746.46,770.87 U4.64@747.36,771.77 ; v3(653.54,2413.39) R14.2@653.54,2464.35 ; v3(661.42,1315.94) 622.05,1315.94 C7.2@621.06,1316.93 621.06,1365.16 632.97,1377.07 666.12,1377.07 U2.44@666.22,1377.17 ; U2.7@666.22,2105.51 666.06,2105.67 C4.2@610.87,2105.67 ; C26.2@740.24,2391.73 C26.2@754.96,2377.01 ; C26.2@754.92,2376.97 C26.2@754.96,2377.01 ; U2.176@756.77,2314.17 756.77,2375.2 C26.2@754.96,2377.01 ; v1(765.75,2418.31) v1(765.75,2418.31) 765.71,2387.76 C26.2@754.96,2377.01 ; U2.175@776.46,2314.17 776.52,2314.11 776.52,2262.85 v1(776.57,2262.8) ; U4.19@786.73,319.02 786.73,265.43 C38.2@799.21,252.95 v1(840.71,252.95) ; v1(803.15,1153.54) C8.2@803.15,1196.85 803.15,1236.22 815.83,1248.9 U2.48@815.83,1286.61 ; v3(840.71,2536.38) R15.2@878.35,2536.38 ; v3(928.15,1147.64) R24.2@928.15,1188.98 ; v1(1015.75,2393.7) C25.2@1051.18,2393.7 ; U4.32@1042.64,319.02 1042.64,277.43 1048.5,271.57 1058.15,271.57 1071.85,257.87 C35.2@1071.85,256.89 ; C25.2@1055.12,2393.7 1055.12,2362.2 1072.07,2345.25 1072.07,2314.51 U2.160@1071.73,2314.17 ; v1(1072.83,217.52) C35.2@1072.83,254.92 C35.2@1072.83,256.89 ; v3(1111.22,1151.57) 1111.22,1189.96 R25.2@1112.2,1190.94 ; U4.48@1121.38,693.03 1121.71,693.36 1151.79,693.36 1182.79,724.36 1213.53,724.36 C36.2@1213.58,724.41 v1(1257.87,724.41) ; U2.65@1150.47,1286.61 1150.65,1286.44 1150.65,1253.99 1156.51,1248.14 1157.38,1248.14 1169.29,1236.22 1212.6,1236.22 1225.39,1223.43 v3(1225.39,1149.61) ; v1(1161.42,2405.51) 1161.76,2405.51 1173.57,2393.7 C24.2@1204.72,2393.7 ; C24.2@1207.96,2393.7 1211.9,2389.76 1211.9,2362.91 1228.31,2346.5 1228.31,2315.08 U2.152@1229.21,2314.17 ; U2.71@1268.58,1286.61 1269.49,1285.71 1269.49,1254.13 1285.43,1238.19 1321.85,1238.19 1335.63,1224.41 1335.63,1190.83 1334.65,1189.84 v3(1334.65,1150.59) ; T31.1@1416.32,831.68 T31.1@1417.32,832.68 ; J15.4@1428.54,966.54 1428.54,833.27 T31.1@1430.12,831.69 ; v3(1467.56,1230.32) 1485.12,1247.87 U2.82@1485.12,1286.61 ; U2.84@1524.49,1286.61 1524.61,1286.5 1524.61,1247.05 1554.13,1217.52 1554.13,1190.94 C11.2@1555.12,1189.96 1556.1,1188.98 v3(1556.1,1149.61) ; U2.136@1544.17,2314.17 1545.08,2315.08 1545.08,2352.17 1556.1,2363.19 C23.2@1556.1,2400.59 C27.2@1606.3,2400.59 ; U2.135@1563.86,2314.17 1564.76,2315.08 1564.76,2340.35 1596.17,2371.76 1596.17,2389.48 C27.2@1606.3,2399.61 ; C27.2@1607.28,2400.59 1609.25,2402.56 v4(1653.54,2402.56) ; U2.92@1693.78,1436.22 1693.98,1436.02 1722.44,1436.02 1743.11,1415.35 C18.2@1787.4,1415.35 ; U2.99@1693.78,1574.02 1693.98,1573.82 1726.38,1573.82 1746.06,1554.13 C19.2@1787.4,1554.13 v1(1824.8,1554.13) ; U2.113@1693.78,1849.61 1783.27,1849.61 C20.2@1784.45,1848.43 v1(1821.85,1848.43) ; U2.120@1693.78,1987.4 1731.26,1987.4 1748.19,1970.47 C21.2@1784.45,1970.47 ; U2.121@1693.78,2007.09 1741.34,2007.09 1759.84,2025.59 C12.2@1787.4,2025.59 1787.25,2025.44 1787.25,1973.28 C21.2@1784.45,1970.47 ; U2.126@1693.78,2105.51 1734.45,2105.51 1750.98,2122.05 C22.2@1787.4,2122.05 v1(1787.4,2163.39) ; C18.2@1789.37,1413.39 v3(1824.8,1413.39) ; v1(1824.8,1970.47) C21.2@1784.45,1970.47 ; R9.2@1952.76,2641.73 v3(1952.76,2686.02) ; R3.2@2027.56,1382.87 2028.54,1381.89 v4(2066.93,1381.89) ; R4.2@2027.56,1586.61 v4(2062.99,1586.61) ; R5.2@2145.67,1303.15 v4(2188.98,1303.15) ; R8.2@2145.67,1665.35 v4(2185.04,1665.35) ; v3(2263.78,1181.1) R6.2@2263.78,1220.47 ; R7.2@2263.78,1745.08 v3(2263.78,1791.34) ; v1(2381.89,2610.24) R2.2@2381.89,2649.61 ; J2.4@2929.63,1480.81 2930.12,1480.32 2957.68,1480.32 2975.39,1498.03 2975.39,1746.06 2953.74,1767.72 C3.2@2953.74,1809.06 2953.74,1917.32
  Top Layer w19.68: v3(259.84,1405.51) FB1.2@304.33,1405.51
  other v1: 2303.15,1948.82 2352.36,1948.82 2401.57,1948.82 2450.79,1948.82 2303.15,1998.03 2352.36,1998.03 2401.57,1998.03 2450.79,1998.03 2303.15,2047.24 2352.36,2047.24 2401.57,2047.24 2450.79,2047.24 2303.15,2096.46 2352.36,2096.46 2401.57,2096.46 2450.79,2096.46 2303.15,2145.67 2352.36,2145.67 2401.57,2145.67 2450.79,2145.67